# Altium PCB OK.PcbDoc
Units mm, origin at the board's own origin, x right, y up, seen from the top; angles counter-clockwise.
Board outline 95 x 95 mm, 2 copper layers (Top Layer, Bottom Layer); 89 components, 51 nets, 256 pads, 74 vias.
Unrouted connection lines stored in the file: 1.
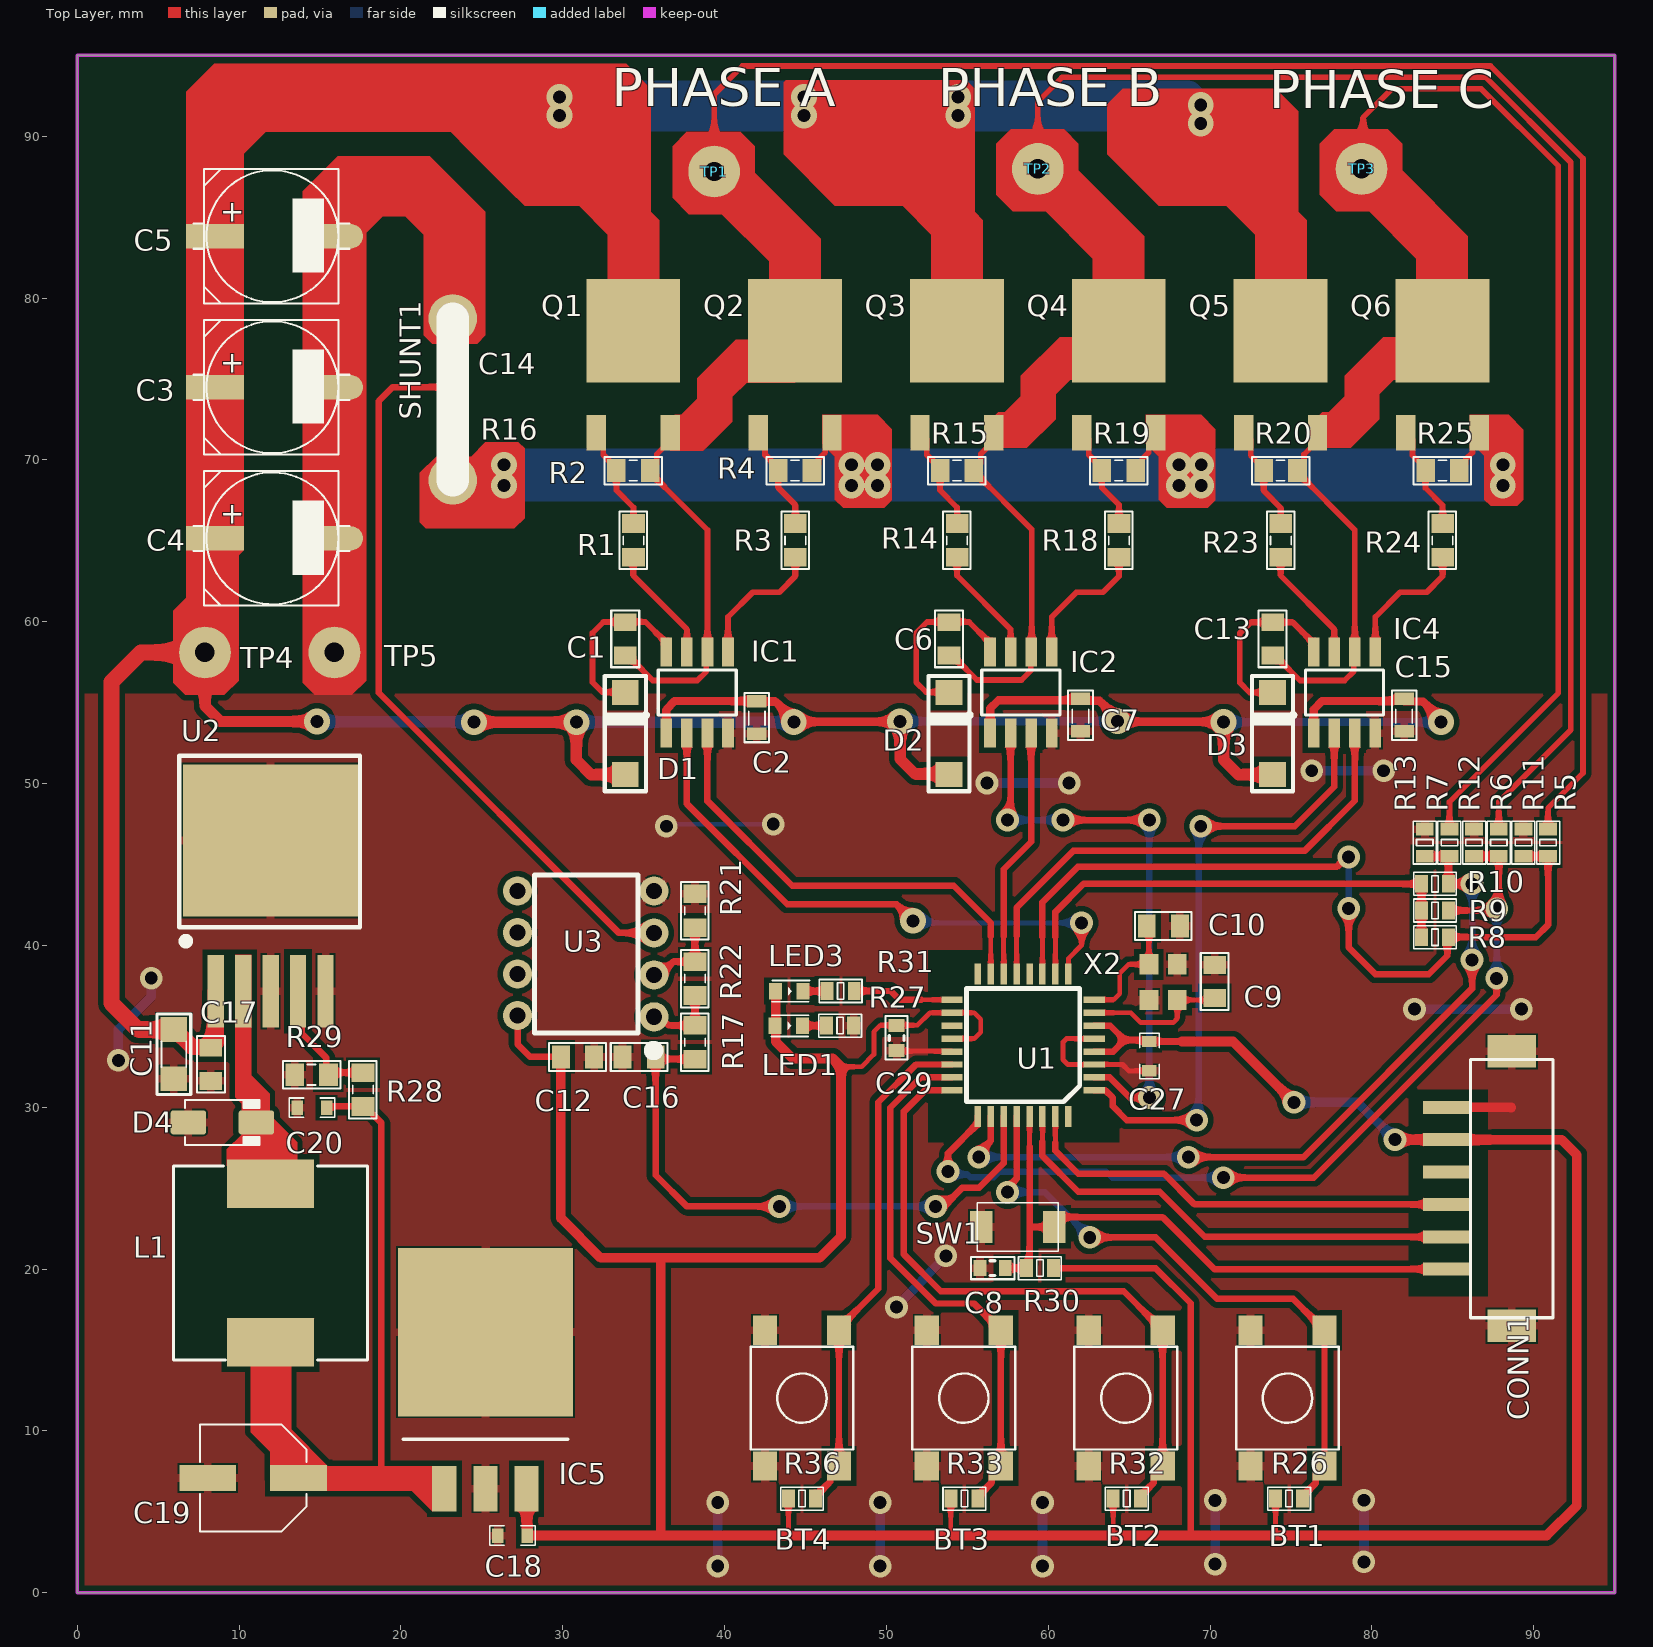
[diagram p0: Top Layer view]
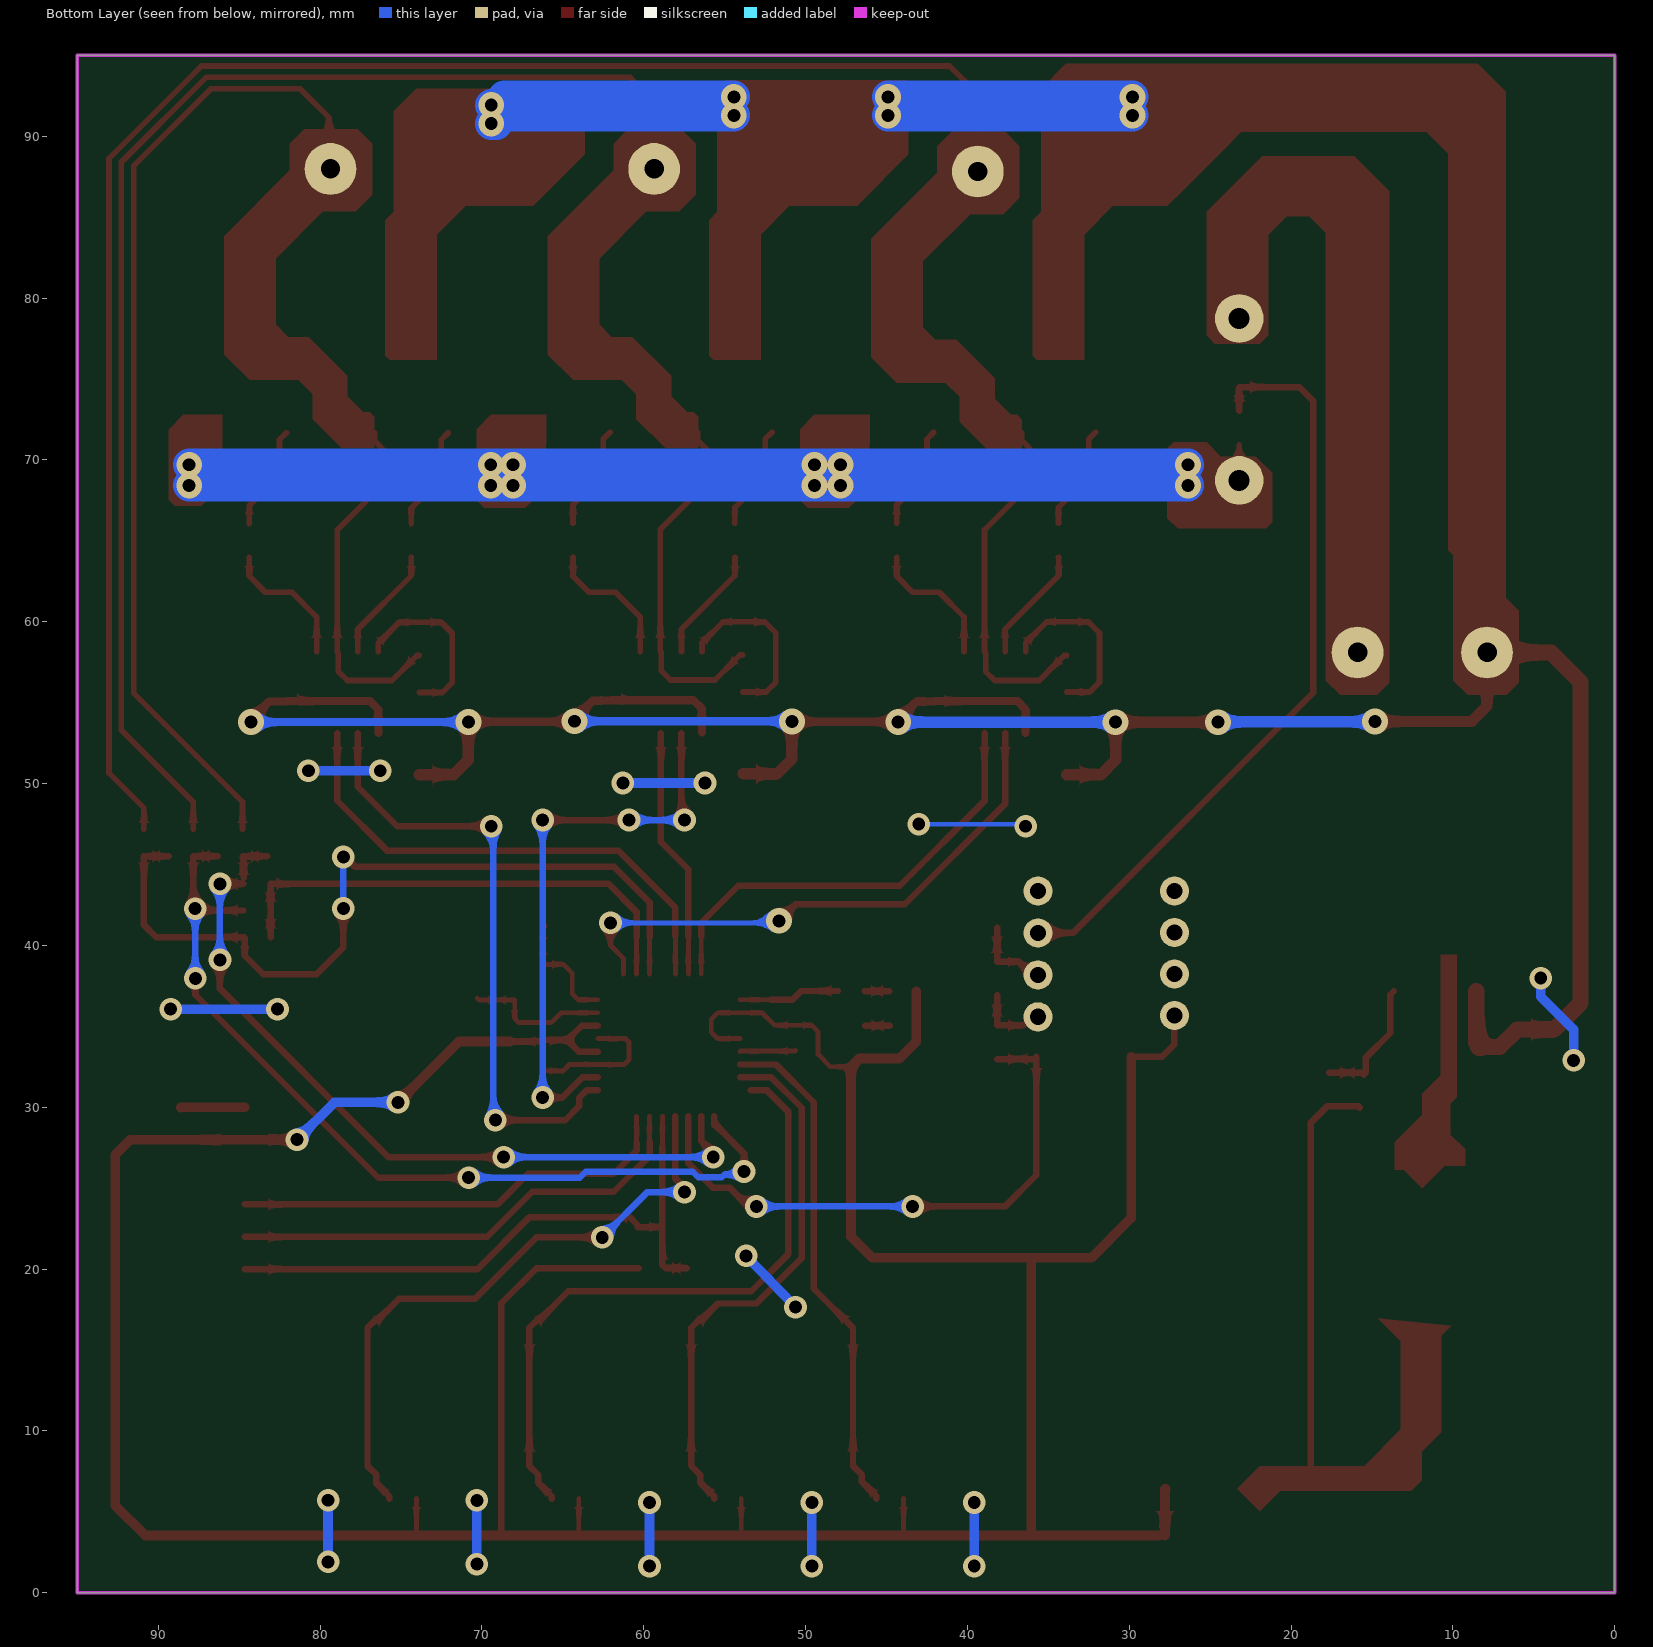
[diagram p1: Bottom Layer view, seen from below]
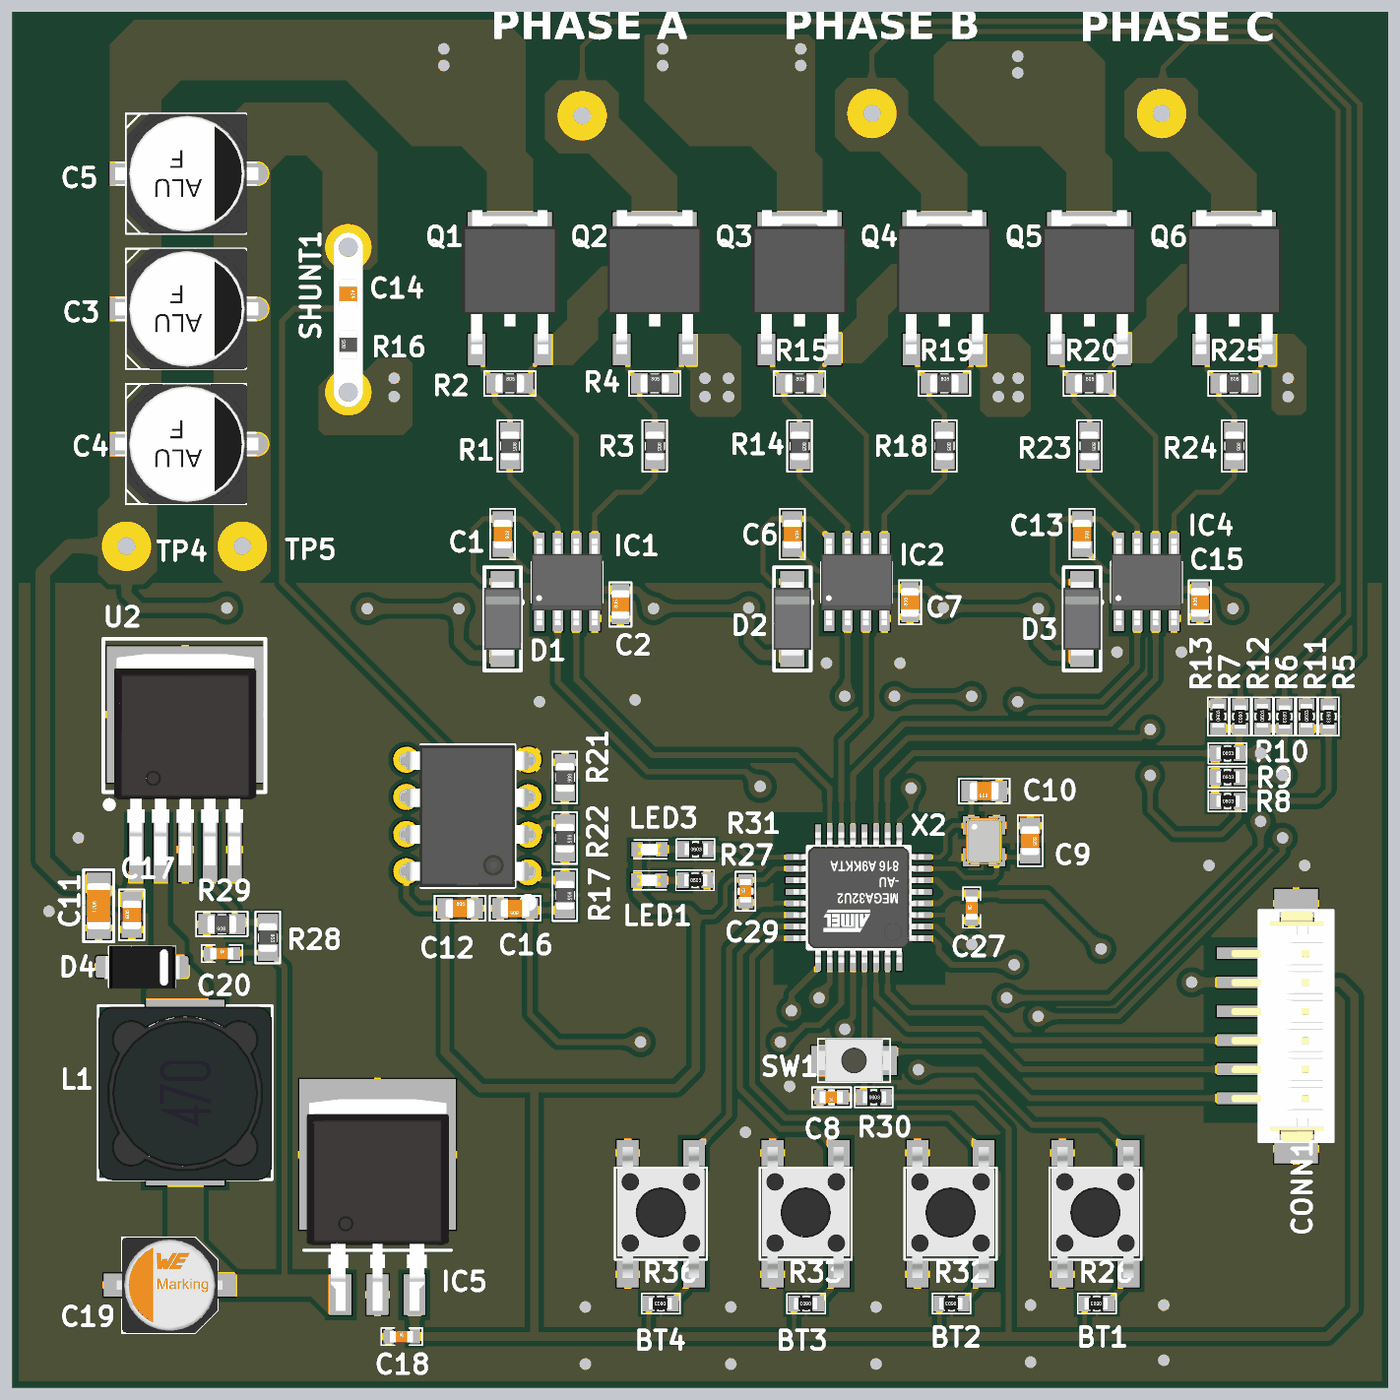
[diagram p2: 3D render of the assembled board from above, using the file's embedded part models]

## Layer stack, top to bottom
Top Solder: solder mask 0.0102, Solder Resist, Dk 3.5
Top Layer: signal copper 0.0356
Dielectric 1: dielectric 0.32, FR-4, Dk 4.8
Bottom Layer: signal copper 0.0356
Bottom Solder: solder mask 0.0102, Solder Resist, Dk 3.5

## Board outline
0,0 0,95 95,95 95,0

## Design rules (kind name [scope] priority, off if disabled: settings)
Clearance [All] p1: gap=0.35 ignorepadtopadclearanceinfootprint=FALSE
PolygonConnect [All] p1: thpad.connectstyle=Relief thpad.reliefconductorwidth=0.4 thpad.reliefentries=4 thpad.polygonreliefangle="45 Angle" thpad.airgapwidth=0.1 smdpad.connectstyle=Relief smdpad.reliefconductorwidth=0.5 smdpad.reliefentries=4 smdpad.polygonreliefangle="90 Angle" smdpad.airgapwidth=0.1 via.connectstyle=Direct via.reliefconductorwidth=0.254 via.reliefentries=4 via.polygonreliefangle="90 Angle" via.airgapwidth=0.254
RoutingVias [All] p1: holewidth=0.711 width=1.27 viastyle="Through Hole" minholewidth=0.711 minwidth=1.27 maxholewidth=0.711 maxwidth=1.27
SolderMaskExpansion [All] p1: expansion=0.102 istentingtop=FALSE
Width [All] p1: maxlimit=10 minlimit=0.254 preferedwidth=0.5
30 further rules are at their usual default settings.

## Classes and differential pairs
component class phase: C1 C2 C3 C4 C5 C6 C7 C12 C13 C14 C15 C16 D1 D2 D3 IC1 IC2 IC4 Q1 Q2 Q3 Q4 Q5 Q6 R1 R2 R3 R4 R5 R6 R7 R8 R9 R10 R11 R12 R13 R14 R15 R16 R17 R18 R19 R20 R21 R22 R23 R24 R25 SHUNT1 TP1 TP2 TP3 TP4 TP5 U3
component class MCU: BT1 BT2 BT3 BT4 C8 C9 C10 C11 C17 C18 C19 C20 C27 C29 CONN1 D4 IC5 L1 LED1 LED3 R26 R27 R28 R29 R30 R31 R32 R33 R36 SW1 U1 U2 X2

## Components (designator, comment, footprint, x,y, rotation, side; value= is the part's Value field where it differs from the comment)
BT1 "BUTTON1" SW4_SMD 74.782,12.024 r90 top value=1N4007
BT2 "BUTTON1" SW4_SMD 64.782,12.024 r90 top value=1N4007
BT3 "BUTTON1" SW4_SMD 54.782,12.024 r90 top value=1N4007
BT4 "BUTTON1" SW4_SMD 44.782,12.024 r90 top value=1N4007
C1 "2.2uF" CN-SMD-0805 33.86,58.937 r270 top locked value=0,1uF/300V
C2 "10uF" SM-CAP-0805 41.988,52.934 r90 top locked value=0,1uF/300V
C3 "470uF/16V" CAP-ALU-SMD-F 12.065,74.486 r0 top
C4 "470uF/16V" CAP-ALU-SMD-F 12.065,65.151 r0 top
C5 "470uF/16V" CAP-ALU-SMD-F 12.065,83.82 r0 top
C6 "2.2uF" CN-SMD-0805 53.86,58.937 r270 top value=0,1uF/300V
C7 "10uF" SM-CAP-0805 61.988,53.077 r90 top value=0,1uF/300V
C8 "0.1uF" CN-SMD-0603 56.561,20.057 r180 top value=0,1uF/300V
C9 "10pF" CN-SMD-0805 70.283,37.77 r270 top value=0,1uF/300V
C10 "10pF" CN-SMD-0805 67.108,41.199 r180 top value=0,1uF/300V
C11 "0.1uF" CN-SMD-1206 5.969,33.274 r90 top value=0,1uF/300V
C12 "1uF" CN-SMD-0805 30.906,33.104 r0 top value=0,1uF/300V
C13 "2.2uF" CN-SMD-0805 73.86,58.937 r270 top value=0,1uF/300V
C14 "220nF" CN-SMD-0805 23.202,75.527 r270 top value=0,1uF/300V
C15 "10uF" SM-CAP-0805 81.988,53.077 r90 top value=0,1uF/300V
C16 "1nF" CN-SMD-0805 34.716,33.104 r180 top value=0,1uF/300V
C17 "0.1uF" CN-SMD-0805 8.255,32.648 r90 top value=0,1uF/300V
C18 "0.1uF" SM-CAP-0603 26.875,3.531 r0 top value=0,1uF/300V
C19 "47uF" CAP-ALU-SMD-6.3x7.7x2.2 10.873,7.087 r180 top
C20 "0.1uF" SM-CAP-0603 14.478,29.972 r0 top value=0,1uF/300V
C27 "0.1uF" SM-CAP-0603 66.245,33.138 r90 top value=0,1uF/300V
C29 "0.1uF" CN-SMD-0603 50.624,34.281 r90 top value=0,1uF/300V
CONN1 "CONNECTOR 6P" JST-PH2.0_6P 84.66,19.994 r90 top
D1 "1N5822" DO-214AC 33.86,53.086 r90 top
D2 "1N5822" DO-214AC 53.86,53.086 r90 top
D3 "1N5822" DO-214AC 73.86,53.086 r90 top
D4 "SS34" DO-214AC(SMA) 8.968,29.058 r0 top value=1N4007
IC1 "IR2101S" SOIC-8 38.305,55.626 r90 top
IC2 "IR2101S" SOIC-8 58.305,55.626 r90 top
IC4 "IR2101S" SOIC-8 78.305,55.626 r90 top
IC5 "LM7805" TO263-DDPAK 25.224,12.37 r0 top
L1 "68uH" L-SMD-CDRH127-M-12x7 11.938,20.373 r0 top value="150 mH"
LED1 "LED SMD" SM-LED-0603 43.964,35.03 r0 top
LED3 "LED SMD" SM-LED-0603 43.996,37.167 r0 top
Q1 "DD8870" TO-252 34.355,77.978 r0 top locked
Q2 "DD8870" TO-252 44.355,77.978 r0 top locked
Q3 "DD8870" TO-252 54.355,77.978 r0 top locked
Q4 "DD8870" TO-252 64.355,77.978 r0 top locked
Q5 "DD8870" TO-252 74.355,77.978 r0 top locked
Q6 "DD8870" TO-252 84.355,77.978 r0 top locked
R1 "100R" RES-SMD-0805 34.368,65.024 r270 top
R2 "10K" RES-SMD-0805 34.355,69.342 r0 top
R3 "100R" RES-SMD-0805 44.368,65.024 r270 top
R4 "10K" RES-SMD-0805 44.355,69.342 r0 top
R5 "33K" RES-SMD-0603 90.883,46.346 r270 top
R6 "33K" RES-SMD-0603 87.835,46.346 r270 top
R7 "33K" RES-SMD-0603 84.787,46.346 r270 top
R8 "33K" RES-SMD-0603 83.898,40.504 r0 top
R9 "33K" RES-SMD-0603 83.898,42.155 r0 top
R10 "33K" RES-SMD-0603 83.898,43.806 r0 top
R11 "10K" RES-SMD-0603 89.359,46.346 r90 top
R12 "10K" RES-SMD-0603 86.311,46.346 r90 top
R13 "10K" RES-SMD-0603 83.263,46.346 r90 top
R14 "100R" RES-SMD-0805 54.368,65.024 r270 top
R15 "10K" RES-SMD-0805 54.355,69.342 r0 top
R16 "2.2K" RES-SMD-0805 23.202,72.005 r90 top
R17 "5.6K" RES-SMD-0805 38.167,34.011 r270 top
R18 "100R" RES-SMD-0805 64.368,65.024 r270 top
R19 "10K" RES-SMD-0805 64.355,69.342 r0 top
R20 "10K" RES-SMD-0805 74.355,69.342 r0 top
R21 "2.2K" RES-SMD-0805 38.167,42.139 r270 top
R22 "47K" RES-SMD-0805 38.167,37.948 r270 top
R23 "100R" RES-SMD-0805 74.368,65.024 r270 top
R24 "100R" RES-SMD-0805 84.368,65.024 r270 top
R25 "10K" RES-SMD-0805 84.355,69.342 r0 top
R26 "10K" RES-SMD-0603 74.881,5.817 r180 top
R27 "1K" RES-SMD-0603 47.139,35.043 r0 top
R28 "33K" RES-SMD-0805 17.653,31.088 r270 top
R29 "8.2K" RES-SMD-0805 14.478,32.004 r180 top
R30 "10K" RES-SMD-0603 59.482,20.057 r0 top
R31 "1K" RES-SMD-0603 47.171,37.18 r0 top
R32 "10K" RES-SMD-0603 64.848,5.817 r180 top
R33 "10K" RES-SMD-0603 54.815,5.817 r180 top
R36 "10K" RES-SMD-0603 44.782,5.817 r180 top
SHUNT1 "Shunt" SHUNT10MM 23.225,73.662 r0 top
SW1 "SW" "SW-SMD - 3x4" 58.117,22.597 r180 top value="SW chip 2 pin"
TP1 "JP1P" PW-JP#1 29.783,87.978 r0 top
TP2 "JP1P" PW-JP#2 57.404,87.978 r0 top
TP3 "JP1P" PW-JP#3 53.493,87.978 r0 top
TP4 "JP1P" PW-JP#4 8.353,58.1 r0 top
TP5 "JP1P" PW-JP#5 12.265,58.1 r0 top
U1 "ATmega-328P" TQFP32 58.441,33.839 r180 top
U2 "LM2596S" TO-263_5P 11.938,46.482 r270 top
U3 "MCP6002" DIP-8 31.421,39.472 r180 top
X2 "16Mhz" "XT4 SMD 3225" 67.094,37.727 r270 top

## Footprints (in the part's own frame and the unit in brackets; to place one, negate y for a bottom-side part, rotate by r counter-clockwise, add the part's x,y. Pads: shape width x height; smd on the part's side, far side on the other; paste and mask are expansions set on the pad)
CAP-ALU-SMD-6.3x7.7x2.2 [mm]
  rect 3.5x1.6 smd: 1(-2.8,0) 2(2.8,0)
  silkscreen extent -3.3,-3.3 3.3,3.3, body extent -3.65,-3.3 3.65,3.3, height 7.65
CAP-ALU-SMD-F [mil]
  rect 140x59.06 smd: 1(-140,0)
  oval 140x59.06 smd: 2(150,0)
  silkscreen extent -192,-163 187,163, body extent -195,-163 195,163, height 402
CN-SMD-0603 [mm]
  rect 0.8x1 smd: 1(-0.781,0) 2(0.781,0)
  silkscreen extent -1.35,-0.69 1.35,0.69, body extent -0.78,-0.4 0.82,0.4, height 0.3
CN-SMD-0805 [mm]
  rect 1.1x1.4 smd: 1(-1.025,0) 2(1.025,0)
  silkscreen extent -1.75,-0.86 1.75,0.86, body extent -1,-0.62 1,0.62, height 0.8
CN-SMD-1206 [mil]
  rect 60x65 smd: 1(-60,0) 2(60,0)
  silkscreen extent -98,-41 98,41, body extent -64,-31 62,32, height 40
DIP-8 [mm]
  round 1.8 hole 1: 1(-4.216,3.886) 2(-4.216,1.295) 3(-4.216,-1.295) 4(-4.216,-3.886) 5(4.216,-3.886) 6(4.216,-1.321) 7(4.216,1.245) 8(4.216,3.81)
  silkscreen extent -4.29,-4.88 3.17,6.07, body extent -5.12,-5.02 5.08,5.08, height 8.6
DO-214AC [mm]
  rect 1.55x1.65 smd: 1(-2.54,0) 2(2.54,0)
  silkscreen extent -3.56,-1.27 3.56,1.27, body extent -2.59,-1.29 2.61,1.31, height 2.4
DO-214AC(SMA) [mm]
  round 0.508 on Mech15: 0(0,0)
  rrect25% 2.2x1.5 smd: 1(-2.1,0) 2(2.1,0)
  silkscreen extent -2.3,-1.4 2.3,1.4, body extent -2.61,-1.5 2.67,1.42, height 2.41
JST-PH2.0_6P [mm]
  rect 0.8x3 smd: 1(0,0) 2(2,0) 3(4,0) 4(6,0) 5(8,0) 6(10,0)
  rect 2x3 smd: 7(-3.497,-3.975) 7(13.453,-3.975)
  silkscreen extent -3,-6.53 12.95,-1.42, body extent -3,-6.53 12.95,0.47, height 6.73
L-SMD-CDRH127-M-12x7 [mm] "WE-PDA SMD Shielded Power Inductor, 1210"
  rect 5.4x3 smd: 1(0,4.9) 2(0,-4.9)
  silkscreen extent -6,-6 6,6, body extent -6,-6.05 6,5.95, height 7.42
PW-JP#1 [mm]
  round 3.2 hole 1.2: 1(9.572,-0.16)
PW-JP#2 [mm]
  round 3.2 hole 1.2: 1(1.951,0)
PW-JP#3 [mm]
  round 3.2 hole 1.2: 1(25.862,0)
PW-JP#4 [mm]
  round 3.2 hole 1.2: 1(-0.464,0)
PW-JP#5 [mm]
  round 3.2 hole 1.2: 1(3.624,0)
RES-SMD-0603 [mm]
  rect 0.8x1.1 smd: 1(-0.838,0) 2(0.838,0)
  silkscreen extent -1.32,-0.71 1.32,0.71, body extent -0.75,-0.4 0.85,0.4, height 0.43
RES-SMD-0805 [mm]
  rect 1.15x1.397 smd: 1(-1.043,0) 2(1.043,0)
  silkscreen extent -1.78,-0.86 1.78,0.84, body extent -1,-0.62 1,0.63, height 0.8
SHUNT10MM [mm]
  round 3 hole 1.3: 1(-0.023,5.075) 2(-0.023,-4.925)
  silkscreen extent -0.02,-4.92 -0.02,5.08, body extent -1.27,-6.06 1.23,6.06, height 12.25
SM-CAP-0603 [mm]
  rect 0.7x0.9 smd: 1(-0.889,0) 2(0.927,0)
  silkscreen extent -1.39,-0.6 1.43,0.6, body extent -0.8,-0.4 0.8,0.4, height 0.3
SM-CAP-0805 [mil]
  rect 30x47.24 smd: 1(6,0) 2(85,0)
  silkscreen extent -15,-30 105,30, body extent 6,-25 84,25, height 31
SM-LED-0603 [mm]
  rect 0.8x1 smd: 1(-0.838,0) 2(0.838,0)
  silkscreen extent -1.09,-0.66 1.24,0.66, body extent -0.8,-0.39 0.8,0.39, height 0.7
SOIC-8 [mm]
  rect 1.78x0.72 smd: 1(-2.51,1.905) 2(-2.51,0.635) 3(-2.51,-0.635) 4(-2.51,-1.905) 5(2.51,-1.905) 6(2.51,-0.635) 7(2.51,0.635) 8(2.51,1.905)
  silkscreen extent -1.52,-2.41 1.4,3.3, body extent -2.99,-2.45 2.99,2.45, height 1.35
SW4_SMD [mm] "SW SMD button 4pin, 250 x250 mil"
  rect 1.8x1.5 smd: 1(-4.191,2.286) 1(4.191,2.286) 2(-4.191,-2.286) 2(4.191,-2.286)
  silkscreen extent -3.18,-3.18 3.18,3.18, body extent -4.43,-3.02 4.58,3.02, height 6
"SW-SMD - 3x4" [mm] "Switch SMD type"
  rect 1.4x2 smd: 1(-2.25,0) 2(2.25,0)
  silkscreen extent -2.5,-1.5 2.5,1.5, body extent -2.5,-1.5 2.5,1.5, height 1.93
TO263-DDPAK [mm]
  rect 1.5x2.8 smd: 1(-2.54,-5.944) 2(0,-5.944) 3(2.54,-5.944)
  rect 10.8x10.41 smd: 2(0,3.734)
  silkscreen extent -5.09,-2.88 5.09,-2.88, body extent -4.91,-7.06 4.91,7.54, height 4.22
TO-252 [mm]
  rect 1.2x2.2 smd: 1(-2.28,-6.3) 3(2.28,-6.3)
  rect 5.8x6.4 smd: 2(0,0)
  body extent -3.27,-6.61 3.27,3.3, height 2.75
TO-263_5P [mm] "IC"
  rect 4.5x1 smd: 1(9.322,-3.378) 2(9.322,-1.683) 3(9.322,0.013) 4(9.322,1.708) 5(9.322,3.404)
  rect 9.4x10.8 smd: 6(0,0)
  silkscreen extent -5.23,-5.64 6.42,5.54, body extent -4.18,-4.91 10.42,4.91, height 4.22
TQFP32 [mm]
  rect 1.3x0.4 smd: 1(-4.4,2.8) 2(-4.4,2) 3(-4.4,1.2) 4(-4.4,0.4) 5(-4.4,-0.4) 6(-4.4,-1.2) 7(-4.4,-2) 8(-4.4,-2.8) 17(4.4,-2.8) 18(4.4,-2) 19(4.4,-1.2) 20(4.4,-0.4) 21(4.4,0.4) 22(4.4,1.2) 23(4.4,2) 24(4.4,2.8)
  rect 0.4x1.3 smd: 9(-2.8,-4.4) 10(-2,-4.4) 11(-1.2,-4.4) 12(-0.4,-4.4) 13(0.4,-4.4) 14(1.2,-4.4) 15(2,-4.4) 16(2.8,-4.4) 25(2.8,4.4) 26(2,4.4) 27(1.2,4.4) 28(0.4,4.4) 29(-0.4,4.4) 30(-1.2,4.4) 31(-2,4.4) 32(-2.8,4.4)
  silkscreen extent -3.5,-3.5 3.5,3.5, body extent -4.5,-4.5 4.5,4.5, height 1.3
"XT4 SMD 3225" [mm]
  rect 1.25x1.15 smd: 1(-1.1,-0.875) 2(1.1,-0.875) 3(1.1,0.875) 4(-1.1,0.875)
  body extent -1.6,-1.24 1.6,1.26, height 0.61

## Part data
C1 C2 C6 C7 C8 C9 C10 C11 C12 C13 C14 C15 C16 C17 C18 C20 C27 C29: library part "CAP SMD", "CAP SMD", Designed by=VanDungEvn
C3 C4 C5 C19: library part CAP-ALU-SMD, "CAP-ALU-SMD", LatestRevisionDate=17-Jul-2002, LatestRevisionNote="Re-released for DXP Platform.", PackageReference=POLAR0.8, Published=8-Jun-2000, Publisher="Altium Limited"
D1 D2 D3: library part "Diode Schottky", "Diode Schottky", Part Number="LED 3 ly Single Colour"
D4: library part "Diode  Schottky", "Diode  Schottky"
IC5: library part LM78xx, "On ap +, from + 5 to + 24VDC"
L1: library part inductor-SMD, "inductor-SMD"
LED1 LED3: library part LED-SMD-0805
Q1 Q2 Q3 Q4 Q5 Q6: library part MOSFET-N, "MOSFET N chane"
R1 R2 R3 R4 R5 R6 R7 R8 R9 R10 R11 R12 R13 R14 R15 R16 R17 R18 R19 R20 R21 R22 R23 R24 R25 R26 R27 R28 R29 R30 R31 R32 R33 R36: library part Res-SMD, "Resistor", Manufacturer="Generic Components", Class=Passive, Published=08/06/2000, Publisher="Altium Hobart Technology Centre"
SW1: library part SW2, "Switch button 2 pin"
U1: library part Atmega328P-SMD, "Atmega328psmd"
X2: library part "XTAL SMD 4PIN", "XTAL SMD 3225, 12MHz, Cl=18pF, Tol: ±30ppm, Stab: ±30ppm"

## Via types
v1: diameter 1.4, hole 0.8, Top Layer to Bottom Layer, 45 vias
v2: diameter 1.6, hole 0.8, Top Layer to Bottom Layer, 29 vias

## Nets (pads, with @x,y where several pads share a name; then routed paths per layer and width w, separated by ;. In a path a pad name is that pad's centre, name@x,y a point inside that pad or via, vN(x,y) a via of type N, cw(c..) or ccw(c..) an arc to the next point about the centre after c; other vN are vias at no path point)
+5VDC: C12.1 C18.2 C27.2 C29.2 CONN1.5 IC5.3 LED1.1 LED3.1 R26.2 R30.2 R32.2 R33.2 R36.2 U1.4 U1.6 U1.18 U1.20 U3.8 | length 240.9
  Top Layer w0.3: R36.2 43.944,3.534 43.947,3.531 ; 47.195,32.503 48.465,32.503 49.227,33.265 49.227,34.662 49.627,35.062 C29.2 51.913,35.062 52.69,35.839 U1.18 55.416,35.839 55.831,35.424 55.831,34.643 55.426,34.239 U1.20 ; R33.2 53.977,3.608 54.054,3.531 ; 63.885,3.531 64.01,3.655 R32.2 ; R26.2 74.043,3.539 74.051,3.531
  Top Layer w0.4: U3.8 27.205,33.882 27.983,33.104 C12.1 ; R30.2 66.626,20.057 68.795,17.888 68.795,3.531 ; U1.4 64.006,33.439 64.721,34.154 ; U1.6 63.836,35.039 64.721,34.154 ; 68.266,34.064 C27.2 66.155,34.154 64.721,34.154
  Top Layer w0.6: IC5.3 27.783,6.407 27.783,3.55 C18.2 ; 28.152,3.531 36.049,3.531 ; C12.1 29.881,23.153 32.342,20.692 36.049,20.692 ; LED3.1 43.157,34.061 44.208,33.011 46.687,33.011 47.195,32.503 47.195,22.011 45.875,20.692 36.049,20.692 ; 68.266,34.064 71.414,34.064 v1(75.178,30.3) ; v1(81.421,27.994) CONN1.5 91.709,27.994 92.661,27.042 92.661,5.396 90.796,3.531 74.051,3.531 68.795,3.531 63.885,3.531 54.054,3.531 43.947,3.531 36.049,3.531 ; 36.049,3.531 36.049,20.692
  Bottom Layer w0.6: v1(75.178,30.3) 79.114,30.3 v1(81.421,27.994)
BT1: BT2.2 R32.1 U1.24 | length 40.7
  Top Layer w0.4: 53.391,31.039 52.379,31.039 51.081,29.74 51.081,20.901 53.361,18.621 64.661,18.621 66.368,16.915 66.518,16.915 67.068,16.365 67.068,16.215 67.068,7.833 66.518,7.283 66.518,6.798 65.686,5.967 R32.1
BT2: BT3.2 R33.1 U1.23 | length 33.6
  Top Layer w0.4: U1.23 52.119,31.839 50.243,29.963 50.243,20.679 53.05,17.871 55.411,17.871 56.368,16.915 56.518,16.915 57.068,16.365 57.068,16.215 57.068,7.833 56.518,7.283 56.518,6.831 55.653,5.967 R33.1
BT3: BT4.2 R36.1 U1.22 | length 31.6
  Top Layer w0.4: R36.1 45.62,5.967 46.518,6.864 46.518,7.283 47.068,7.833 47.068,16.215 47.068,16.365 49.493,18.79 49.493,30.305 51.826,32.639 U1.22
BT4: BT1.2 R26.1 U1.28 | length 39.1
  Top Layer w0.4: v1(57.482,24.756) 57.482,25.026 58.041,25.585 U1.28 ; v1(62.562,21.962) 66.626,21.962 70.436,18.152 75.131,18.152 76.368,16.915 76.518,16.915 77.068,16.365 77.068,16.215 77.068,7.833 76.518,7.283 76.518,6.765 75.719,5.967 R26.1
  Bottom Layer w0.4: v1(57.482,24.756) 59.768,24.756 v1(62.562,21.962)
GND: BT1.1 BT2.1 BT3.1 BT4.1 C2.1 C3.2 C4.2 C5.2 C7.1 C8.2 C9.1 C10.1 C11.1 C12.2 C14.1 C15.1 C16.2 C17.1 C18.1 C19.2 C20.1 C27.1 C29.1 CONN1.6 CONN1.7 D4.1 IC1.4 IC2.4 IC4.4 IC5.2 R11.2 R12.2 R13.2 R21.1 R27.2 R29.2 SHUNT1.1 SW1.2 TP5.1 U1.3 U1.5 U1.21 U2.3 U2.5 U2.6 U3.4 X2.2 X2.4 | length 68.9
  Top Layer w0.3: C29.1 50.654,33.469 54.01,33.469 U1.21 ; U1.5 61.123,34.239 60.911,34.027 60.911,32.932 61.205,32.639 U1.3 64.585,32.639 64.977,32.246 65.342,32.246 65.345,32.249 C27.1
  Top Layer w0.6: CONN1.6 88.597,29.994 88.597,29.963
  Bottom Layer w0.3: v1(36.4,47.362) 36.4,47.489 v1(43.004,47.489)
  Bottom Layer w0.6: v1(2.54,32.893) 2.54,34.798 4.572,36.83 v1(4.572,37.973) ; v1(39.575,1.642) v1(39.575,5.579) ; v1(49.608,1.642) v1(49.608,5.579) ; v1(50.624,17.644) v1(53.672,20.819) ; v1(56.212,50.029) v1(61.292,50.029) ; v1(59.641,1.642) v1(59.641,5.579) ; v1(70.309,1.769) v1(70.309,5.706) ; v1(76.278,50.791) v1(80.723,50.791) ; v1(79.502,1.905) v1(79.502,5.715) ; v1(82.628,36.059) v1(89.232,36.059)
LED_USER: R31.2 U1.17 | length 6.3
  Top Layer w0.3: 52.148,36.639 U1.17
  Top Layer w0.4: R31.2 50.264,37.18 50.806,36.639 52.148,36.639
MCU_Rx: CONN1.2 U1.30 | length 29.5
  Top Layer w0.3: 59.641,27.864 U1.30
  Top Layer w0.4: 59.641,27.864 59.641,26.991 61.85,24.781 66.88,24.781 69.667,21.994 CONN1.2
MCU_Tx: CONN1.3 U1.31 | length 27.7
  Top Layer w0.3: 60.441,27.79 U1.31
  Top Layer w0.4: 60.441,27.79 60.441,27.302 61.856,25.887 67.146,25.887 69.039,23.994 CONN1.3
NetC1_1: C1.1 D1.2 IC1.8 | length 11.2
  Top Layer w0.35: D1.2@33.86,55.653 32.442,55.653 31.833,56.263 31.833,59.311 32.512,59.99 33.86,59.99 35.103,59.99 36.215,58.878 36.4,58.693 IC1.8@36.4,58.163
NetC6_1: C6.1 D2.2 IC2.8 | length 11.2
  Top Layer w0.35: D2.2@53.86,55.653 52.442,55.653 51.833,56.263 51.833,59.311 52.512,59.99 53.86,59.99 55.103,59.99 56.215,58.878 56.4,58.693 IC2.8@56.4,58.163
NetC9_2: C9.2 U1.7 X2.3 | length 9
  Top Layer w0.3: U1.7 65.1,35.839 65.709,35.23 67.718,35.23 67.972,35.484 67.972,36.624 X2.3 70.166,36.627 C9.2
NetC10_2: C10.2 U1.8 X2.1 | length 7.5
  Top Layer w0.3: U1.8 64.047,36.639 64.416,37.008 64.416,38.278 64.965,38.827 X2.1 66.219,41.062 C10.2
NetC13_1: C13.1 D3.2 IC4.8 | length 11.2
  Top Layer w0.35: D3.2 72.442,55.626 71.833,56.236 71.833,59.284 72.512,59.963 C13.1 75.103,59.963 76.215,58.851 76.4,58.666 IC4.8
NetC14_2: C14.2 R16.2 U3.3 | length 47.6
  Top Layer w0.4: R16.2 C14.2 19.486,74.501 18.62,73.635 18.62,55.617 33.469,40.767 U3.3
NetC16_1: C16.1 R17.2 U1.27 | length 35.9
  Top Layer w0.4: R17.2 35.878,32.968 C16.1 35.742,25.795 37.67,23.867 v1(43.385,23.867) ; v1@53.164,23.994 53.653,23.994 54.695,25.036 55.73,25.036 57.241,26.547 U1.27
  Bottom Layer w0.4: v1(43.385,23.867) v1(53.037,23.867)
NetC19_1: C19.1 C20.2 IC5.1 L1.2 R28.2 | length 25.7
  Top Layer w0.4: 15.755,29.972 15.828,30.045 R28.2 17.777,30.045 18.796,29.026 18.796,6.835
NetD4_K: D4.2 L1.1 U2.2
NetIC1_2: IC1.2 U1.9 | length 35.3
  Top Layer w0.3: U1.9 61.241,39.183 62.054,39.996 v1(62.054,41.393)
  Top Layer w0.4: IC1.2 37.67,48.743 43.877,42.536 50.624,42.536 v2(51.64,41.52)
  Bottom Layer w0.3: v2(51.64,41.52) 51.767,41.393 v1(62.054,41.393)
NetIC1_3: IC1.3 U1.15 | length 28
  Top Layer w0.3: U1.15 56.44,40.564
  Top Layer w0.4: IC1.3 38.94,48.92 44.181,43.679 54.164,43.679 56.44,41.402 56.44,40.564
NetIC1_5: IC1.5 R3.2 | length 8.5
  Top Layer w0.35: IC1.5 40.21,60.3 41.734,61.824 43.385,61.824 44.368,62.807 R3.2
NetIC1_7: IC1.7 R1.2 | length 7.2
  Top Layer w0.35: R1.2 34.355,63.968 34.355,62.852 37.67,59.538 IC1.7
NetIC2_2: IC2.2 U1.2 | length 34.6
  Top Layer w0.4: v1@57.67,47.997 IC2.2 ; v1(60.911,47.743) v1(66.245,47.743) ; U1.2 63.795,31.839 65.035,30.598 v1@65.864,30.598
  Bottom Layer w0.4: v1(57.482,47.743) v1(60.911,47.743) ; v1(66.245,30.598) v1(66.245,47.743)
NetIC2_3: IC2.3 U1.14 | length 15.6
  Top Layer w0.3: U1.14 57.241,40.553
  Top Layer w0.4: 57.241,40.553 57.241,44.708 58.94,46.407 IC2.3
NetIC2_5: IC2.5 R18.2 | length 8.5
  Top Layer w0.35: IC2.5 60.21,60.3 61.734,61.824 63.385,61.824 64.368,62.807 R18.2
NetIC2_7: IC2.7 R14.2 | length 7.2
  Top Layer w0.35: R14.2 54.355,63.968 54.355,62.852 57.67,59.538 IC2.7
NetIC4_2: IC4.2 U1.1 | length 38.2
  Top Layer w0.4: U1.1 63.534,31.039 63.977,30.595 63.977,30.071 64.848,29.201 v1(69.169,29.201) ; v1(69.42,47.362) 75.231,47.362 77.67,49.8 IC4.2
  Bottom Layer w0.4: v1(69.169,29.201) 69.294,29.326 69.294,47.236 v1(69.42,47.362)
NetIC4_3: IC4.3 U1.13 | length 31.9
  Top Layer w0.3: U1.13 58.041,40.589
  Top Layer w0.4: 58.041,40.589 58.041,42.333 61.546,45.838 75.837,45.838 78.94,48.941 IC4.3
NetIC4_5: IC4.5 R24.2 | length 8.5
  Top Layer w0.35: IC4.5 80.21,60.3 81.734,61.824 83.385,61.824 84.368,62.807 R24.2
NetIC4_7: IC4.7 R23.2 | length 7.2
  Top Layer w0.35: R23.2 74.355,63.968 74.355,62.852 77.67,59.538 IC4.7
NetLED1_2: LED1.2 R27.1 | length 1.5
  Top Layer w0.4: LED1.2 44.808,35.036 46.294,35.036 R27.1
NetLED3_2: LED3.2 R31.1 | length 1.5
  Top Layer w0.4: LED3.2 44.84,37.174 46.326,37.174 R31.1
NetQ1_1: Q1.1 R1.1 R2.1 | length 6.6
  Top Layer w0.35: Q1.1@32.075,71.705 32.5,71.28 32.5,70.305 33.312,69.493 33.312,69.369 33.312,68.118 34.368,67.063 R1.1@34.368,66.094
NetQ2_1: Q2.1 R3.1 R4.1 | length 6.6
  Top Layer w0.35: Q2.1@42.075,71.705 42.5,71.28 42.5,70.305 43.312,69.493 43.312,68.278 44.368,67.223 R3.1@44.368,66.094
NetQ3_1: Q3.1 R14.1 R15.1 | length 6.6
  Top Layer w0.35: Q3.1@52.075,71.705 52.5,71.28 52.5,70.305 53.312,69.493 53.312,69.369 53.312,68.118 54.368,67.063 R14.1@54.368,66.094
NetQ4_1: Q4.1 R18.1 R19.1 | length 6.6
  Top Layer w0.35: Q4.1@62.075,71.705 62.5,71.28 62.5,70.305 63.312,69.493 63.312,68.278 64.368,67.223 R18.1@64.368,66.094
NetQ5_1: Q5.1 R20.1 R23.1 | length 6.6
  Top Layer w0.35: Q5.1 72.5,71.253 72.5,70.277 73.312,69.466 R20.1 73.312,68.091 74.368,67.036 R23.1
NetQ6_1: Q6.1 R24.1 R25.1 | length 6.6
  Top Layer w0.35: Q6.1 82.5,71.253 82.5,70.277 83.312,69.466 83.312,68.251 84.368,67.196 R24.1
NetR5_2: R5.2 R8.2 R11.1 U1.11 | length 50.8
  Top Layer w0.3: U1.11 59.641,40.527
  Top Layer w0.4: 59.641,40.527 59.641,42.663 61.831,44.853 77.829,44.853 78.433,45.457 v1(78.564,45.457) ; v1(78.564,42.282) 78.564,39.869 80.215,38.218 83.517,38.218 84.653,39.354 84.653,40.479 84.677,40.504 R8.2 90.121,40.504 90.883,41.266 R5.2 R11.1
  Bottom Layer w0.4: v1(78.564,42.282) v1(78.564,45.457)
NetR6_2: R6.2 R9.2 R12.1 U1.25 | length 56.1
  Top Layer w0.4: v1(53.799,26.026) 53.799,27.147 55.641,28.989 U1.25 ; v1(70.817,25.645) 76.405,25.645 87.708,36.948 v1(87.708,37.964) ; R9.2 87.6,42.155 v1(87.718,42.272) 87.835,42.389 R6.2 R12.1
  Bottom Layer w0.4: v1(53.799,26.026) 53.99,25.834 55.016,25.834 55.186,25.665 56.623,25.665 56.964,26.006 63.583,26.006 63.944,25.645 v1@70.563,25.645 ; v1(87.708,37.964) 87.713,37.969 87.713,42.267 v1(87.718,42.272)
NetR7_2: R7.2 R10.2 R13.1 U1.26 | length 48.4
  Top Layer w0.4: v1(55.704,26.915) 55.704,27.185 56.441,27.922 U1.26 ; v1(68.658,26.915) 75.77,26.915 86.184,37.329 v1(86.184,39.107) ; R13.1 R7.2 84.787,45.376 84.718,45.307 R10.2@84.718,44.192 ; R10.2 v1(86.184,43.806)
  Bottom Layer w0.4: v1(55.704,26.915) v1(68.658,26.915) ; v1(86.184,39.107) v1(86.184,43.806)
NetR8_1: R8.1 R9.1 R10.1 U1.10 | length 30.5
  Top Layer w0.3: U1.10 60.441,40.542
  Top Layer w0.4: 60.441,40.542 60.441,42.066 62.181,43.806 R10.1 R8.1
NetR17_1: R17.1 R22.2 U3.1 | length 4.6
  Top Layer w0.4: U3.1 36.017,35.585 36.548,35.054 R17.1 R22.2
NetR21_2: R21.2 R22.1 U3.2 | length 5
  Top Layer w0.4: U3.2 36.017,38.176 36.831,38.991 R22.1 R21.2
NetR28_1: R28.1 R29.1 U2.4 | length 8.1
  Top Layer w0.4: U2.4 13.862,36.944 13.862,34.577 15.371,33.068 15.371,32.154 R29.1 15.648,32.131 R28.1
nRST: C8.1 CONN1.1 R30.1 SW1.1 U1.29 | length 38.1
  Top Layer w0.3: 58.841,27.55 U1.29
  Top Layer w0.4: C8.1 R30.1 58.841,20.254 58.841,27.55 ; 58.978,22.597 SW1.1 60.367,22.712 60.867,23.212 67.052,23.212 70.27,19.994 CONN1.1
P_GND: Q2.3 Q4.3 Q6.3 R4.2 R16.1 R19.2 R25.2 SHUNT1.2 | length 134.2
  Top Layer w0.3: SHUNT1.2 R16.1
  Top Layer w0.35: R4.2 45.798,69.742 45.798,70.041 46.21,70.453 46.21,71.253 Q2.3 ; R19.2 65.798,69.742 65.798,70.041 66.21,70.453 66.21,71.253 Q4.3 ; R25.2 85.798,69.742 85.798,70.041 86.21,70.453 86.21,71.253 Q6.3
  Bottom Layer w2: v2(26.367,68.428) 48.084,68.428 v2(68.084,68.428) v2(88.084,68.428) ; v2(26.367,69.698) 48.084,69.698 v2(68.084,69.698) v2(88.084,69.698)
  other v2: 47.83,68.428 49.452,68.428 69.452,68.428 47.83,69.698 49.452,69.698 69.452,69.698
PHASE-A: C1.2 IC1.6 Q1.3 Q2.2 R2.2 R5.1 TP1.1 | length 126.5
  Top Layer w0.35: C1.2 34.01,57.912 35.559,56.363 38.31,56.363 38.873,56.926 38.873,58.069 IC1.6 38.94,65.677 35.398,69.218 R2.2 35.798,69.742 35.798,70.341 36.635,71.178 Q1.3 ; TP1.1 39.355,92.592 41.099,94.336 87.327,94.336 93.042,88.621 93.042,50.648 90.883,48.489 R5.1@90.883,47.168
PHASE-B: C6.2 IC2.6 Q3.3 Q4.2 R6.1 R15.2 TP2.1 | length 105.6
  Top Layer w0.35: C6.2@53.893,57.945 54.043,57.945 55.592,56.396 58.343,56.396 58.906,56.959 58.906,58.103 58.973,58.169 58.973,65.71 55.431,69.252 55.431,69.375 55.831,69.775 55.831,70.374 56.668,71.211 Q3.3@56.668,71.711 ; TP2.1 59.355,92.145 60.846,93.636 87.037,93.636 92.28,88.393 92.28,53.315 87.835,48.87 R6.1@87.835,47.168
PHASE-C: C13.2 IC4.6 Q5.3 Q6.2 R7.1 R20.2 TP3.1 | length 84.4
  Top Layer w0.35: C13.2 74.01,57.912 75.559,56.363 78.31,56.363 78.873,56.926 78.873,58.069 IC4.6 78.94,65.677 75.398,69.219 R20.2 75.798,69.742 75.798,70.341 76.635,71.178 Q5.3 ; TP3.1 79.453,88.076 79.453,91.161 81.228,92.936 86.747,92.936 91.518,88.165 91.518,55.601 84.787,48.87 R7.1
VBAT: C2.2 C3.1 C4.1 C5.1 C7.2 C11.2 C15.2 C17.2 D1.1 D2.1 D3.1 IC1.1 IC2.1 IC4.1 Q1.2 Q3.2 Q5.2 TP4.1 U2.1 | length 225.9
  Top Layer w0.5: IC1.1 36.4,54.585 36.908,55.093 C2.2 42.013,55.067 43.156,55.067 44.274,53.95 v2(44.274,53.797) 44.297,53.82 50.822,53.82 v2(50.845,53.843) ; IC2.1@56.407,53.169 56.407,54.637 56.915,55.145 61.995,55.145 62.021,55.12 63.164,55.12 64.281,54.002 v2(64.281,53.85) 64.311,53.82 70.807,53.82 v2(70.837,53.791) ; IC4.1 76.4,54.585 76.908,55.093 81.988,55.093 82.013,55.067 83.156,55.067 84.274,53.95 v2(84.274,53.798)
  Top Layer w0.7: TP4.1 7.889,54.79 8.841,53.839 v2(14.81,53.839) ; v2(24.51,53.79) v2(30.837,53.79) 30.837,51.46 31.752,50.546 D1.1 ; v2(50.845,53.843) 50.845,51.513 51.759,50.599 D2.1@53.867,50.599 ; v2(70.837,53.791) 70.837,51.461 71.752,50.546 D3.1
  Top Layer w1: TP4.1 3.944,58.1 2.11,56.266 2.11,36.438 3.75,34.798 C11.2 6.033,34.798 7.107,33.724 8.205,33.724 C17.2 8.405,33.674 8.455,33.724 8.455,33.874 8.56,33.979 U2.1
  Bottom Layer w0.5: v2(50.845,53.843) 50.848,53.847 64.278,53.847 v2(64.281,53.85) ; v2(70.837,53.791) 70.841,53.794 84.27,53.794 v2(84.274,53.798)
  Bottom Layer w0.7: v2(14.81,53.839) 14.834,53.814 24.486,53.814 v2(24.51,53.79) ; v2(30.837,53.79) 30.841,53.794 44.27,53.794 v2(44.274,53.797)
  Bottom Layer w2: v2(29.796,91.288) v2(44.909,91.288) ; v2(29.796,92.431) v2(44.909,92.431) ; v2(54.434,91.288) 68.614,91.288 69.122,90.78 v2(69.42,90.78) ; v2(54.434,92.431) 68.614,92.431 69.122,91.923 v2(69.42,91.923)
pads on no net: CONN1.4 D4.0 U1.12 U1.16 U1.19 U1.32 U3.5 U3.6 U3.7

## Polygon pours and split planes (outlines as drawn)
GND on Top Layer "GND_L01_P000" (solid, pour order 0): 0,55.556 95,55.556 95,0 0,0

## Keep-outs
Keep-Out Layer:
  the board outline again, w0.2

## Other copper
Top Layer:
  pour cut-out: 5.938,26.323 5.938,14.323 17.938,14.323 17.938,26.373 5.938,26.373
  pour cut-out: 82.247,31.106 82.247,18.279 87.2,18.279 87.2,31.106
  pour cut-out: 52.554,39.726 52.554,27.813 64.416,27.813 64.416,39.726
  region net GND: 18.874,85.065 17.858,84.049 17.858,56.363 16.969,55.474 14.683,55.474 13.921,56.236 13.921,86.589 16.08,88.748 21.795,88.748 25.224,85.319 25.224,77.699 24.716,77.191 21.922,77.191 21.414,77.699 21.414,83.922 20.271,85.065
  region net NetC19_1: 14.638,16.973 13.212,15.547 13.212,10.097 15.483,7.826 21.934,7.826 23.334,6.426 21.934,5.026 20.673,6.287 12.575,6.287 11.923,6.939 11.923,8.704 10.719,9.907 10.719,15.876 10.111,16.485
  region net NetD4_K: 13.582,27.829 13.582,26.137 13.032,26.137 11.889,24.994 10.492,26.391 9.238,26.391 9.238,27.39 10.155,28.308 10.155,30.22 9.755,30.62 9.755,39.41 10.755,39.41 10.755,31.969 11.889,30.836 11.889,29.522
  region net P_GND: 86.035,72.778 88.437,72.778 89.359,71.857 89.359,67.539 88.978,67.158 87.327,67.158 86.946,67.539 86.946,70.267 86.035,71.178
  region net P_GND: 66.035,72.778 69.448,72.778 70.331,71.895 70.331,67.5 69.862,67.031 67.322,67.031 66.814,67.539 66.814,70.206 66.035,70.984
  region net P_GND: 46.035,72.778 49.448,72.778 50.331,71.895 50.331,67.5 49.862,67.031 47.322,67.031 46.814,67.539 46.814,70.206 46.035,70.984
  region net P_GND: 25.224,71.095 24.335,70.206 22.176,70.206 21.16,69.19 21.16,66.142 21.541,65.761 27.002,65.761 27.637,66.396 27.637,70.714 27.256,71.095
  region net VBAT: 63.639,91.984 64.594,92.939 74.053,92.939 75.45,91.542 75.45,85.319 75.958,84.811 75.958,76.429 75.704,76.175 72.783,76.175 72.783,83.922 71.005,85.7 66.814,85.7 63.639,88.875
  region net VBAT: 33.926,94.463 35.45,92.939 35.45,85.319 35.958,84.811 35.958,76.429 35.704,76.175 32.783,76.175 32.783,83.922 31.005,85.7 27.637,85.7 23.639,89.698 23.639,93.32 24.782,94.463
  region net VBAT: 54.942,93.447 55.45,92.939 55.45,85.319 55.958,84.811 55.958,76.429 55.704,76.175 52.783,76.175 52.783,83.922 51.005,85.7 46.814,85.7 43.639,88.875 43.639,93.32 43.766,93.447
  region net VBAT: 29.542,86.208 30.685,87.351 30.685,94.209 30.431,94.463 8.46,94.463 6.731,92.734 6.731,61.492 5.92,60.681 5.92,56.236 6.682,55.474 9.095,55.474 9.984,56.363 9.984,64.098 10.287,64.401 10.287,88.924 11.635,90.272 23.065,90.272 27.129,86.208
  region net PHASE-A: 38.305,73.762 38.305,75.032 40.7,77.427 41.97,77.427 42.75,78.207 42.75,82.271 39.829,85.192 37.797,85.192 36.781,86.208 36.781,89.383 37.67,90.272 40.972,90.272 41.861,89.383 41.861,87.732 45.925,83.668 45.925,76.348 44.355,74.778 41.353,74.778 40.464,73.889 40.464,72.365 38.677,70.578 36.635,70.578 36.635,72.493 36.92,72.778 37.321,72.778
  region net PHASE-C: 78.305,73.922 78.305,75.192 80.7,77.587 81.97,77.587 82.75,78.367 82.75,82.431 79.829,85.352 77.797,85.352 76.781,86.368 76.781,89.543 77.67,90.432 80.972,90.432 81.861,89.543 81.861,87.892 85.925,83.828 85.925,76.508 84.355,74.938 81.353,74.938 80.464,74.049 80.464,72.525 78.677,70.738 76.635,70.738 76.635,72.653 76.92,72.938 77.321,72.938
  region net PHASE-B: 58.305,73.922 58.305,75.192 60.7,77.587 61.97,77.587 62.75,78.367 62.75,82.431 59.829,85.352 57.797,85.352 56.781,86.368 56.781,89.543 57.67,90.432 60.972,90.432 61.861,89.543 61.861,87.892 65.925,83.828 65.925,76.508 64.355,74.938 61.353,74.938 60.464,74.049 60.464,72.525 58.677,70.738 56.635,70.738 56.635,72.653 56.92,72.938 57.321,72.938

## Silkscreen, mask and mechanical layers (free items; w line width, h text height)
Top Overlay:
  text "PHASE A" at 33.02,91.077 h4
  text "PHASE B" at 53.213,91.077 h4
  text "PHASE C" at 73.66,90.95 h4

## Text inside footprints (layer, text, board x,y; h text height)
C3: Top Overlay "+" at 8.84,75.386 h1.3
C4: Top Overlay "+" at 8.84,66.051 h1.3
C5: Top Overlay "+" at 8.84,84.72 h1.3